# Allegro board LED_FIN.brd (continued)
## Routing (per net, layer and track width the routed paths; a pad name or vN(x,y) marks a point on that pad's centre or on a via; arc(x,y) is an arc through that point) (continued)
  BOTTOM w0.15: v1(191.25,316.8) v1(191.25,314.8) v1(191.25,312.8) v1(191.25,310.8) v1(191.25,308.8) v1(191.25,306.8) v1(191.25,304.8) v1(191.25,302.8) v1(191.25,300.8) v1(191.25,298.8) v1(191.25,296.8) v1(191.25,294.8) v1(191.25,292.8) v1(191.25,290.8) v1(191.25,288.8) v1(191.25,286.8) v1(191.25,284.8) v1(191.25,282.8) v1(191.25,280.8) v1(191.25,278.8) v1(191.25,276.8) v1(191.25,274.8) v1(191.25,272.8) v1(191.25,270.8) v1(191.25,268.8) v1(191.25,266.8) v1(191.25,264.8) v1(191.25,262.8) v1(191.25,260.8) v1(191.25,258.8) v1(191.25,256.8) v1(191.25,254.8) v1(191.25,252.8) v1(191.25,250.8) v1(191.25,248.8) v1(191.25,246.8) v1(191.25,244.8) v1(191.25,242.8) 190.55,242.1 190.55,132.8 190.17,132.42 190.17,100.18 v1(190.55,99.8)
COL_OUT_B44: length 244.9
  TOP w0.15: D7966.1 v1(189.25,242.8) ; D7726.1 v1(189.25,258.8) ; v1(188.55,132.8) 188.83,132.52 188.83,129.58 188.55,129.3 v1(188.55,128.8) ; D7456.1 v1(189.25,276.8) ; D7846.1 v1(189.25,250.8) ; D7006.1 v1(189.25,306.8) ; D6916.1 v1(189.25,312.8) ; D7246.1 v1(189.25,290.8) ; D7516.1 v1(189.25,272.8) ; D7306.1 v1(189.25,286.8) ; D7546.1 v1(189.25,270.8) ; D7906.1 v1(189.25,246.8) ; D7816.1 v1(189.25,252.8) ; D7426.1 v1(189.25,278.8) ; D7936.1 v1(189.25,244.8) ; D6976.1 v1(189.25,308.8) ; D7576.1 v1(189.25,268.8) ; D7036.1 v1(189.25,304.8) ; D7276.1 v1(189.25,288.8) ; D7186.1 v1(189.25,294.8) ; D6886.1 v1(189.25,314.8) ; D7366.1 v1(189.25,282.8) ; D7066.1 v1(189.25,302.8) ; D7156.1 v1(189.25,296.8) ; D7396.1 v1(189.25,280.8) ; D7336.1 v1(189.25,284.8) ; D7696.1 v1(189.25,260.8) ; D7216.1 v1(189.25,292.8) ; D7606.1 v1(189.25,266.8) ; D7096.1 v1(189.25,300.8) ; D7876.1 v1(189.25,248.8) ; D7636.1 v1(189.25,264.8) ; D7666.1 v1(189.25,262.8) ; D6946.1 v1(189.25,310.8) ; D7786.1 v1(189.25,254.8) ; D6856.1 v1(189.25,316.8) ; D7486.1 v1(189.25,274.8) ; v1(188.55,99.8) R196.1 ; D7756.1 v1(189.25,256.8) ; D7126.1 v1(189.25,298.8)
  BOTTOM w0.15: v1(189.25,316.8) v1(189.25,314.8) v1(189.25,312.8) v1(189.25,310.8) v1(189.25,308.8) v1(189.25,306.8) v1(189.25,304.8) v1(189.25,302.8) v1(189.25,300.8) v1(189.25,298.8) v1(189.25,296.8) v1(189.25,294.8) v1(189.25,292.8) v1(189.25,290.8) v1(189.25,288.8) v1(189.25,286.8) v1(189.25,284.8) v1(189.25,282.8) v1(189.25,280.8) v1(189.25,278.8) v1(189.25,276.8) v1(189.25,274.8) v1(189.25,272.8) v1(189.25,270.8) v1(189.25,268.8) v1(189.25,266.8) v1(189.25,264.8) v1(189.25,262.8) v1(189.25,260.8) v1(189.25,258.8) v1(189.25,256.8) v1(189.25,254.8) v1(189.25,252.8) v1(189.25,250.8) v1(189.25,248.8) v1(189.25,246.8) v1(189.25,244.8) v1(189.25,242.8) 188.55,242.1 v1(188.55,132.8) ; v1(188.55,128.8) v1(188.55,99.8)
COL_OUT_B45: length 244.8
  TOP w0.15: D7305.1 v1(187.25,286.8) ; D7575.1 v1(187.25,268.8) ; D6945.1 v1(187.25,310.8) ; D7605.1 v1(187.25,266.8) ; D7125.1 v1(187.25,298.8) ; D7275.1 v1(187.25,288.8) ; D7935.1 v1(187.25,244.8) ; v1(186.55,99.8) R195.1 ; D7725.1 v1(187.25,258.8) ; D7545.1 v1(187.25,270.8) ; D6915.1 v1(187.25,312.8) ; D7035.1 v1(187.25,304.8) ; D7185.1 v1(187.25,294.8) ; D7455.1 v1(187.25,276.8) ; D6855.1 v1(187.25,316.8) ; D7695.1 v1(187.25,260.8) ; D7875.1 v1(187.25,248.8) ; D6885.1 v1(187.25,314.8) ; D7155.1 v1(187.25,296.8) ; D7965.1 v1(187.25,242.8) ; D7095.1 v1(187.25,300.8) ; D7845.1 v1(187.25,250.8) ; D7425.1 v1(187.25,278.8) ; D7365.1 v1(187.25,282.8) ; D7815.1 v1(187.25,252.8) ; D7665.1 v1(187.25,262.8) ; D7755.1 v1(187.25,256.8) ; D7515.1 v1(187.25,272.8) ; D7905.1 v1(187.25,246.8) ; D7245.1 v1(187.25,290.8) ; D7215.1 v1(187.25,292.8) ; D6975.1 v1(187.25,308.8) ; D7785.1 v1(187.25,254.8) ; D7005.1 v1(187.25,306.8) ; D7485.1 v1(187.25,274.8) ; D7635.1 v1(187.25,264.8) ; D7395.1 v1(187.25,280.8) ; D7065.1 v1(187.25,302.8) ; D7335.1 v1(187.25,284.8)
  BOTTOM w0.15: v1(186.55,99.8) 186.36,99.99 186.36,131.75 186.55,131.94 186.55,242.1 v1(187.25,242.8) v1(187.25,244.8) v1(187.25,246.8) v1(187.25,248.8) v1(187.25,250.8) v1(187.25,252.8) v1(187.25,254.8) v1(187.25,256.8) v1(187.25,258.8) v1(187.25,260.8) v1(187.25,262.8) v1(187.25,264.8) v1(187.25,266.8) v1(187.25,268.8) v1(187.25,270.8) v1(187.25,272.8) v1(187.25,274.8) v1(187.25,276.8) v1(187.25,278.8) v1(187.25,280.8) v1(187.25,282.8) v1(187.25,284.8) v1(187.25,286.8) v1(187.25,288.8) v1(187.25,290.8) v1(187.25,292.8) v1(187.25,294.8) v1(187.25,296.8) v1(187.25,298.8) v1(187.25,300.8) v1(187.25,302.8) v1(187.25,304.8) v1(187.25,306.8) v1(187.25,308.8) v1(187.25,310.8) v1(187.25,312.8) v1(187.25,314.8) v1(187.25,316.8)
COL_OUT_B46: length 245.1
  TOP w0.15: D7964.1 v1(185.25,242.8) ; D7574.1 v1(185.25,268.8) ; D7364.1 v1(185.25,282.8) ; v1(184.55,132.8) 185.02,132.33 185.02,129.27 v1(184.55,128.8) ; D7304.1 v1(185.25,286.8) ; D7094.1 v1(185.25,300.8) ; D7514.1 v1(185.25,272.8) ; D6944.1 v1(185.25,310.8) ; D7694.1 v1(185.25,260.8) ; D7484.1 v1(185.25,274.8) ; D7334.1 v1(185.25,284.8) ; D7454.1 v1(185.25,276.8) ; D7244.1 v1(185.25,290.8) ; D7904.1 v1(185.25,246.8) ; D6854.1 v1(185.25,316.8) ; D7874.1 v1(185.25,248.8) ; D6914.1 v1(185.25,312.8) ; D7724.1 v1(185.25,258.8) ; D7934.1 v1(185.25,244.8) ; D7214.1 v1(185.25,292.8) ; D7064.1 v1(185.25,302.8) ; D7814.1 v1(185.25,252.8) ; D7184.1 v1(185.25,294.8) ; D7634.1 v1(185.25,264.8) ; D7124.1 v1(185.25,298.8) ; D7604.1 v1(185.25,266.8) ; D7544.1 v1(185.25,270.8) ; D7844.1 v1(185.25,250.8) ; D7004.1 v1(185.25,306.8) ; D7274.1 v1(185.25,288.8) ; D6974.1 v1(185.25,308.8) ; D7394.1 v1(185.25,280.8) ; D7784.1 v1(185.25,254.8) ; D6884.1 v1(185.25,314.8) ; D7664.1 v1(185.25,262.8) ; v1(184.55,99.8) R194.1 ; D7034.1 v1(185.25,304.8) ; D7424.1 v1(185.25,278.8) ; D7154.1 v1(185.25,296.8) ; D7754.1 v1(185.25,256.8)
  BOTTOM w0.15: v1(184.55,132.8) 184.55,242.1 v1(185.25,242.8) v1(185.25,244.8) v1(185.25,246.8) v1(185.25,248.8) v1(185.25,250.8) v1(185.25,252.8) v1(185.25,254.8) v1(185.25,256.8) v1(185.25,258.8) v1(185.25,260.8) v1(185.25,262.8) v1(185.25,264.8) v1(185.25,266.8) v1(185.25,268.8) v1(185.25,270.8) v1(185.25,272.8) v1(185.25,274.8) v1(185.25,276.8) v1(185.25,278.8) v1(185.25,280.8) v1(185.25,282.8) v1(185.25,284.8) v1(185.25,286.8) v1(185.25,288.8) v1(185.25,290.8) v1(185.25,292.8) v1(185.25,294.8) v1(185.25,296.8) v1(185.25,298.8) v1(185.25,300.8) v1(185.25,302.8) v1(185.25,304.8) v1(185.25,306.8) v1(185.25,308.8) v1(185.25,310.8) v1(185.25,312.8) v1(185.25,314.8) v1(185.25,316.8) ; v1(184.55,128.8) v1(184.55,99.8)
COL_OUT_B47: length 245.1
  TOP w0.15: D7303.1 v1(183.25,286.8) ; D7483.1 v1(183.25,274.8) ; D7153.1 v1(183.25,296.8) ; D7453.1 v1(183.25,276.8) ; D7783.1 v1(183.25,254.8) ; D7033.1 v1(183.25,304.8) ; D6913.1 v1(183.25,312.8) ; D7723.1 v1(183.25,258.8) ; D7423.1 v1(183.25,278.8) ; D7873.1 v1(183.25,248.8) ; D7573.1 v1(183.25,268.8) ; D7843.1 v1(183.25,250.8) ; D6973.1 v1(183.25,308.8) ; D6943.1 v1(183.25,310.8) ; v1(182.55,99.8) R193.1 ; D7003.1 v1(183.25,306.8) ; D7633.1 v1(183.25,264.8) ; D7123.1 v1(183.25,298.8) ; D7963.1 v1(183.25,242.8) ; D7513.1 v1(183.25,272.8) ; D7093.1 v1(183.25,300.8) ; D7333.1 v1(183.25,284.8) ; D7603.1 v1(183.25,266.8) ; D7903.1 v1(183.25,246.8) ; D7543.1 v1(183.25,270.8) ; D7273.1 v1(183.25,288.8) ; D7243.1 v1(183.25,290.8) ; D7393.1 v1(183.25,280.8) ; D7813.1 v1(183.25,252.8) ; D7693.1 v1(183.25,260.8) ; D6883.1 v1(183.25,314.8) ; D7753.1 v1(183.25,256.8) ; D7063.1 v1(183.25,302.8) ; D6853.1 v1(183.25,316.8) ; D7213.1 v1(183.25,292.8) ; D7363.1 v1(183.25,282.8) ; D7183.1 v1(183.25,294.8) ; D7663.1 v1(183.25,262.8) ; D7933.1 v1(183.25,244.8)
  BOTTOM w0.15: v1(182.55,99.8) 182.55,129.01 182.99,129.45 182.99,132.28 182.55,132.72 182.55,242.1 v1(183.25,242.8) v1(183.25,244.8) v1(183.25,246.8) v1(183.25,248.8) v1(183.25,250.8) v1(183.25,252.8) v1(183.25,254.8) v1(183.25,256.8) v1(183.25,258.8) v1(183.25,260.8) v1(183.25,262.8) v1(183.25,264.8) v1(183.25,266.8) v1(183.25,268.8) v1(183.25,270.8) v1(183.25,272.8) v1(183.25,274.8) v1(183.25,276.8) v1(183.25,278.8) v1(183.25,280.8) v1(183.25,282.8) v1(183.25,284.8) v1(183.25,286.8) v1(183.25,288.8) v1(183.25,290.8) v1(183.25,292.8) v1(183.25,294.8) v1(183.25,296.8) v1(183.25,298.8) v1(183.25,300.8) v1(183.25,302.8) v1(183.25,304.8) v1(183.25,306.8) v1(183.25,308.8) v1(183.25,310.8) v1(183.25,312.8) v1(183.25,314.8) v1(183.25,316.8)
COL_OUT_B48: length 245.1
  TOP w0.15: D7932.1 v1(181.25,244.8) ; D7242.1 v1(181.25,290.8) ; D7212.1 v1(181.25,292.8) ; D7902.1 v1(181.25,246.8) ; D7122.1 v1(181.25,298.8) ; D6942.1 v1(181.25,310.8) ; D7782.1 v1(181.25,254.8) ; D7692.1 v1(181.25,260.8) ; D7722.1 v1(181.25,258.8) ; D7572.1 v1(181.25,268.8) ; D6972.1 v1(181.25,308.8) ; D7182.1 v1(181.25,294.8) ; D7422.1 v1(181.25,278.8) ; D7002.1 v1(181.25,306.8) ; D7092.1 v1(181.25,300.8) ; D7452.1 v1(181.25,276.8) ; D7062.1 v1(181.25,302.8) ; D7512.1 v1(181.25,272.8) ; v1(180.55,99.8) R192.1 ; D6912.1 v1(181.25,312.8) ; D7752.1 v1(181.25,256.8) ; D7662.1 v1(181.25,262.8) ; D6882.1 v1(181.25,314.8) ; D7272.1 v1(181.25,288.8) ; D7332.1 v1(181.25,284.8) ; D7362.1 v1(181.25,282.8) ; D7632.1 v1(181.25,264.8) ; D7812.1 v1(181.25,252.8) ; D7482.1 v1(181.25,274.8) ; D7542.1 v1(181.25,270.8) ; D7872.1 v1(181.25,248.8) ; D6852.1 v1(181.25,316.8) ; D7392.1 v1(181.25,280.8) ; D7032.1 v1(181.25,304.8) ; D7302.1 v1(181.25,286.8) ; D7842.1 v1(181.25,250.8) ; D7962.1 v1(181.25,242.8) ; D7602.1 v1(181.25,266.8) ; D7152.1 v1(181.25,296.8)
  BOTTOM w0.15: v1(180.55,99.8) 180.08,100.27 180.08,131.75 180.55,132.22 180.55,242.1 v1(181.25,242.8) v1(181.25,244.8) v1(181.25,246.8) v1(181.25,248.8) v1(181.25,250.8) v1(181.25,252.8) v1(181.25,254.8) v1(181.25,256.8) v1(181.25,258.8) v1(181.25,260.8) v1(181.25,262.8) v1(181.25,264.8) v1(181.25,266.8) v1(181.25,268.8) v1(181.25,270.8) v1(181.25,272.8) v1(181.25,274.8) v1(181.25,276.8) v1(181.25,278.8) v1(181.25,280.8) v1(181.25,282.8) v1(181.25,284.8) v1(181.25,286.8) v1(181.25,288.8) v1(181.25,290.8) v1(181.25,292.8) v1(181.25,294.8) v1(181.25,296.8) v1(181.25,298.8) v1(181.25,300.8) v1(181.25,302.8) v1(181.25,304.8) v1(181.25,306.8) v1(181.25,308.8) v1(181.25,310.8) v1(181.25,312.8) v1(181.25,314.8) v1(181.25,316.8)
COL_OUT_B49: length 244.8
  TOP w0.15: D7961.1 v1(179.25,242.8) ; D7931.1 v1(179.25,244.8) ; D7061.1 v1(179.25,302.8) ; D7571.1 v1(179.25,268.8) ; v1(178.55,99.8) R191.1 ; D7031.1 v1(179.25,304.8) ; D7751.1 v1(179.25,256.8) ; D7781.1 v1(179.25,254.8) ; D7211.1 v1(179.25,292.8) ; D7901.1 v1(179.25,246.8) ; D6941.1 v1(179.25,310.8) ; D7811.1 v1(179.25,252.8) ; D7271.1 v1(179.25,288.8) ; D7511.1 v1(179.25,272.8) ; D7541.1 v1(179.25,270.8) ; D7661.1 v1(179.25,262.8) ; D7301.1 v1(179.25,286.8) ; D7241.1 v1(179.25,290.8) ; D7001.1 v1(179.25,306.8) ; D7691.1 v1(179.25,260.8) ; D7871.1 v1(179.25,248.8) ; D7151.1 v1(179.25,296.8) ; D7391.1 v1(179.25,280.8) ; D7841.1 v1(179.25,250.8) ; D7121.1 v1(179.25,298.8) ; D6851.1 v1(179.25,316.8) ; D7481.1 v1(179.25,274.8) ; D7631.1 v1(179.25,264.8) ; D7451.1 v1(179.25,276.8) ; v1(178.55,128.8) 178.74,128.99 178.74,132.61 v1(178.55,132.8) ; D7181.1 v1(179.25,294.8) ; D7331.1 v1(179.25,284.8) ; D6881.1 v1(179.25,314.8) ; D7421.1 v1(179.25,278.8) ; D7601.1 v1(179.25,266.8) ; D6911.1 v1(179.25,312.8) ; D7361.1 v1(179.25,282.8) ; D7091.1 v1(179.25,300.8) ; D7721.1 v1(179.25,258.8) ; D6971.1 v1(179.25,308.8)
  BOTTOM w0.15: v1(179.25,316.8) v1(179.25,314.8) v1(179.25,312.8) v1(179.25,310.8) v1(179.25,308.8) v1(179.25,306.8) v1(179.25,304.8) v1(179.25,302.8) v1(179.25,300.8) v1(179.25,298.8) v1(179.25,296.8) v1(179.25,294.8) v1(179.25,292.8) v1(179.25,290.8) v1(179.25,288.8) v1(179.25,286.8) v1(179.25,284.8) v1(179.25,282.8) v1(179.25,280.8) v1(179.25,278.8) v1(179.25,276.8) v1(179.25,274.8) v1(179.25,272.8) v1(179.25,270.8) v1(179.25,268.8) v1(179.25,266.8) v1(179.25,264.8) v1(179.25,262.8) v1(179.25,260.8) v1(179.25,258.8) v1(179.25,256.8) v1(179.25,254.8) v1(179.25,252.8) v1(179.25,250.8) v1(179.25,248.8) v1(179.25,246.8) v1(179.25,244.8) v1(179.25,242.8) 178.55,242.1 v1(178.55,132.8) ; v1(178.55,128.8) v1(178.55,99.8)
COL_OUT_B50: length 244.9
  TOP w0.15: D7900.1 v1(177.25,246.8) ; D7960.1 v1(177.25,242.8) ; D7840.1 v1(177.25,250.8) ; D7510.1 v1(177.25,272.8) ; D7390.1 v1(177.25,280.8) ; D7270.1 v1(177.25,288.8) ; D7450.1 v1(177.25,276.8) ; D7060.1 v1(177.25,302.8) ; D7660.1 v1(177.25,262.8) ; D7480.1 v1(177.25,274.8) ; D7330.1 v1(177.25,284.8) ; D6850.1 v1(177.25,316.8) ; D7600.1 v1(177.25,266.8) ; D7120.1 v1(177.25,298.8) ; D7870.1 v1(177.25,248.8) ; D7630.1 v1(177.25,264.8) ; D7810.1 v1(177.25,252.8) ; D7720.1 v1(177.25,258.8) ; D7570.1 v1(177.25,268.8) ; D7300.1 v1(177.25,286.8) ; D7210.1 v1(177.25,292.8) ; D7690.1 v1(177.25,260.8) ; D7750.1 v1(177.25,256.8) ; D7240.1 v1(177.25,290.8) ; D7150.1 v1(177.25,296.8) ; D6970.1 v1(177.25,308.8) ; D7420.1 v1(177.25,278.8) ; D6910.1 v1(177.25,312.8) ; D7090.1 v1(177.25,300.8) ; D6880.1 v1(177.25,314.8) ; D7000.1 v1(177.25,306.8) ; D7930.1 v1(177.25,244.8) ; v1(176.55,99.8) R190.1 ; D7780.1 v1(177.25,254.8) ; D7030.1 v1(177.25,304.8) ; D7180.1 v1(177.25,294.8) ; D7540.1 v1(177.25,270.8) ; D7360.1 v1(177.25,282.8) ; D6940.1 v1(177.25,310.8)
  BOTTOM w0.15: v1(176.55,99.8) 176.55,100.3 176.27,100.58 176.27,131.75 176.55,132.03 176.55,242.1 v1(177.25,242.8) v1(177.25,244.8) v1(177.25,246.8) v1(177.25,248.8) v1(177.25,250.8) v1(177.25,252.8) v1(177.25,254.8) v1(177.25,256.8) v1(177.25,258.8) v1(177.25,260.8) v1(177.25,262.8) v1(177.25,264.8) v1(177.25,266.8) v1(177.25,268.8) v1(177.25,270.8) v1(177.25,272.8) v1(177.25,274.8) v1(177.25,276.8) v1(177.25,278.8) v1(177.25,280.8) v1(177.25,282.8) v1(177.25,284.8) v1(177.25,286.8) v1(177.25,288.8) v1(177.25,290.8) v1(177.25,292.8) v1(177.25,294.8) v1(177.25,296.8) v1(177.25,298.8) v1(177.25,300.8) v1(177.25,302.8) v1(177.25,304.8) v1(177.25,306.8) v1(177.25,308.8) v1(177.25,310.8) v1(177.25,312.8) v1(177.25,314.8) v1(177.25,316.8)
COL_OUT_B51: length 245
  TOP w0.15: D6939.1 v1(175.25,310.8) ; D7749.1 v1(175.25,256.8) ; D7059.1 v1(175.25,302.8) ; D7809.1 v1(175.25,252.8) ; D7149.1 v1(175.25,296.8) ; D7449.1 v1(175.25,276.8) ; D7629.1 v1(175.25,264.8) ; v1(174.55,132.8) 174.93,132.42 174.93,129.18 v1(174.55,128.8) ; D6849.1 v1(175.25,316.8) ; D7599.1 v1(175.25,266.8) ; D6879.1 v1(175.25,314.8) ; D7689.1 v1(175.25,260.8) ; D7119.1 v1(175.25,298.8) ; D6969.1 v1(175.25,308.8) ; D7179.1 v1(175.25,294.8) ; D7719.1 v1(175.25,258.8) ; D7299.1 v1(175.25,286.8) ; v1(174.55,99.8) R189.1 ; D7899.1 v1(175.25,246.8) ; D7839.1 v1(175.25,250.8) ; D7329.1 v1(175.25,284.8) ; D7869.1 v1(175.25,248.8) ; D7089.1 v1(175.25,300.8) ; D7419.1 v1(175.25,278.8) ; D7239.1 v1(175.25,290.8) ; D7779.1 v1(175.25,254.8) ; D7569.1 v1(175.25,268.8) ; D7389.1 v1(175.25,280.8) ; D7959.1 v1(175.25,242.8) ; D6999.1 v1(175.25,306.8) ; D7359.1 v1(175.25,282.8) ; D7509.1 v1(175.25,272.8) ; D7209.1 v1(175.25,292.8) ; D7029.1 v1(175.25,304.8) ; D7539.1 v1(175.25,270.8) ; D7479.1 v1(175.25,274.8) ; D7929.1 v1(175.25,244.8) ; D7659.1 v1(175.25,262.8) ; D7269.1 v1(175.25,288.8) ; D6909.1 v1(175.25,312.8)
  BOTTOM w0.15: v1(175.25,316.8) v1(175.25,314.8) v1(175.25,312.8) v1(175.25,310.8) v1(175.25,308.8) v1(175.25,306.8) v1(175.25,304.8) v1(175.25,302.8) v1(175.25,300.8) v1(175.25,298.8) v1(175.25,296.8) v1(175.25,294.8) v1(175.25,292.8) v1(175.25,290.8) v1(175.25,288.8) v1(175.25,286.8) v1(175.25,284.8) v1(175.25,282.8) v1(175.25,280.8) v1(175.25,278.8) v1(175.25,276.8) v1(175.25,274.8) v1(175.25,272.8) v1(175.25,270.8) v1(175.25,268.8) v1(175.25,266.8) v1(175.25,264.8) v1(175.25,262.8) v1(175.25,260.8) v1(175.25,258.8) v1(175.25,256.8) v1(175.25,254.8) v1(175.25,252.8) v1(175.25,250.8) v1(175.25,248.8) v1(175.25,246.8) v1(175.25,244.8) v1(175.25,242.8) 174.55,242.1 v1(174.55,132.8) ; v1(174.55,128.8) v1(174.55,99.8)
COL_OUT_B52: length 244.8
  TOP w0.15: D7628.1 v1(173.25,264.8) ; D7118.1 v1(173.25,298.8) ; D7238.1 v1(173.25,290.8) ; D7448.1 v1(173.25,276.8) ; D7598.1 v1(173.25,266.8) ; D7208.1 v1(173.25,292.8) ; D6938.1 v1(173.25,310.8) ; v1(172.55,99.8) R188.1 ; D7178.1 v1(173.25,294.8) ; D7538.1 v1(173.25,270.8) ; D7928.1 v1(173.25,244.8) ; D7898.1 v1(173.25,246.8) ; D7328.1 v1(173.25,284.8) ; D7508.1 v1(173.25,272.8) ; D7388.1 v1(173.25,280.8) ; D7298.1 v1(173.25,286.8) ; D6998.1 v1(173.25,306.8) ; D7058.1 v1(173.25,302.8) ; D7568.1 v1(173.25,268.8) ; D7838.1 v1(173.25,250.8) ; D7658.1 v1(173.25,262.8) ; D7478.1 v1(173.25,274.8) ; D7688.1 v1(173.25,260.8) ; D7718.1 v1(173.25,258.8) ; D7748.1 v1(173.25,256.8) ; D7028.1 v1(173.25,304.8) ; D6848.1 v1(173.25,316.8) ; D6908.1 v1(173.25,312.8) ; D6878.1 v1(173.25,314.8) ; D7808.1 v1(173.25,252.8) ; D7148.1 v1(173.25,296.8) ; D6968.1 v1(173.25,308.8) ; D7358.1 v1(173.25,282.8) ; D7778.1 v1(173.25,254.8) ; D7418.1 v1(173.25,278.8) ; D7268.1 v1(173.25,288.8) ; D7088.1 v1(173.25,300.8) ; D7868.1 v1(173.25,248.8) ; D7958.1 v1(173.25,242.8)
  BOTTOM w0.15: v1(172.55,99.8) 172.46,99.89 172.46,242.01 v1(173.25,242.8) v1(173.25,244.8) v1(173.25,246.8) v1(173.25,248.8) v1(173.25,250.8) v1(173.25,252.8) v1(173.25,254.8) v1(173.25,256.8) v1(173.25,258.8) v1(173.25,260.8) v1(173.25,262.8) v1(173.25,264.8) v1(173.25,266.8) v1(173.25,268.8) v1(173.25,270.8) v1(173.25,272.8) v1(173.25,274.8) v1(173.25,276.8) v1(173.25,278.8) v1(173.25,280.8) v1(173.25,282.8) v1(173.25,284.8) v1(173.25,286.8) v1(173.25,288.8) v1(173.25,290.8) v1(173.25,292.8) v1(173.25,294.8) v1(173.25,296.8) v1(173.25,298.8) v1(173.25,300.8) v1(173.25,302.8) v1(173.25,304.8) v1(173.25,306.8) v1(173.25,308.8) v1(173.25,310.8) v1(173.25,312.8) v1(173.25,314.8) v1(173.25,316.8)
COL_OUT_B53: length 245.2
  TOP w0.15: D7087.1 v1(171.25,300.8) ; D7627.1 v1(171.25,264.8) ; D7897.1 v1(171.25,246.8) ; D7597.1 v1(171.25,266.8) ; D7747.1 v1(171.25,256.8) ; D7837.1 v1(171.25,250.8) ; D7177.1 v1(171.25,294.8) ; D7657.1 v1(171.25,262.8) ; D7537.1 v1(171.25,270.8) ; D7957.1 v1(171.25,242.8) ; v1(170.55,128.8) 171.12,129.37 171.12,132.23 v1(170.55,132.8) ; D7027.1 v1(171.25,304.8) ; D7567.1 v1(171.25,268.8) ; D7267.1 v1(171.25,288.8) ; D6997.1 v1(171.25,306.8) ; D7297.1 v1(171.25,286.8) ; D7717.1 v1(171.25,258.8) ; D7327.1 v1(171.25,284.8) ; D7447.1 v1(171.25,276.8) ; D6847.1 v1(171.25,316.8) ; D7507.1 v1(171.25,272.8) ; D7117.1 v1(171.25,298.8) ; D7387.1 v1(171.25,280.8) ; D7147.1 v1(171.25,296.8) ; D7417.1 v1(171.25,278.8) ; v1(170.55,99.8) R187.1 ; D7357.1 v1(171.25,282.8) ; D6967.1 v1(171.25,308.8) ; D6907.1 v1(171.25,312.8) ; D7807.1 v1(171.25,252.8) ; D7477.1 v1(171.25,274.8) ; D7777.1 v1(171.25,254.8) ; D6877.1 v1(171.25,314.8) ; D7687.1 v1(171.25,260.8) ; D7867.1 v1(171.25,248.8) ; D7237.1 v1(171.25,290.8) ; D7207.1 v1(171.25,292.8) ; D7927.1 v1(171.25,244.8) ; D6937.1 v1(171.25,310.8) ; D7057.1 v1(171.25,302.8)
  BOTTOM w0.15: v1(170.55,128.8) v1(170.55,99.8) ; v1(170.55,132.8) 170.55,242.1 v1(171.25,242.8) v1(171.25,244.8) v1(171.25,246.8) v1(171.25,248.8) v1(171.25,250.8) v1(171.25,252.8) v1(171.25,254.8) v1(171.25,256.8) v1(171.25,258.8) v1(171.25,260.8) v1(171.25,262.8) v1(171.25,264.8) v1(171.25,266.8) v1(171.25,268.8) v1(171.25,270.8) v1(171.25,272.8) v1(171.25,274.8) v1(171.25,276.8) v1(171.25,278.8) v1(171.25,280.8) v1(171.25,282.8) v1(171.25,284.8) v1(171.25,286.8) v1(171.25,288.8) v1(171.25,290.8) v1(171.25,292.8) v1(171.25,294.8) v1(171.25,296.8) v1(171.25,298.8) v1(171.25,300.8) v1(171.25,302.8) v1(171.25,304.8) v1(171.25,306.8) v1(171.25,308.8) v1(171.25,310.8) v1(171.25,312.8) v1(171.25,314.8) v1(171.25,316.8)
COL_OUT_B54: length 244.7
  TOP w0.15: D7686.1 v1(169.25,260.8) ; D7566.1 v1(169.25,268.8) ; D7866.1 v1(169.25,248.8) ; D7116.1 v1(169.25,298.8) ; D7896.1 v1(169.25,246.8) ; D7776.1 v1(169.25,254.8) ; D7416.1 v1(169.25,278.8) ; D7746.1 v1(169.25,256.8) ; D7356.1 v1(169.25,282.8) ; D7806.1 v1(169.25,252.8) ; D7446.1 v1(169.25,276.8) ; D7086.1 v1(169.25,300.8) ; D7656.1 v1(169.25,262.8) ; D7836.1 v1(169.25,250.8) ; D7626.1 v1(169.25,264.8) ; v1(168.55,132.8) 168.58,132.77 168.58,128.83 v1(168.55,128.8) ; D7326.1 v1(169.25,284.8) ; D7386.1 v1(169.25,280.8) ; D7926.1 v1(169.25,244.8) ; D7596.1 v1(169.25,266.8) ; D7236.1 v1(169.25,290.8) ; D6876.1 v1(169.25,314.8) ; D7296.1 v1(169.25,286.8) ; v1(168.55,99.8) R186.1 ; D7176.1 v1(169.25,294.8) ; D7266.1 v1(169.25,288.8) ; D7716.1 v1(169.25,258.8) ; D7506.1 v1(169.25,272.8) ; D6846.1 v1(169.25,316.8) ; D7026.1 v1(169.25,304.8) ; D6936.1 v1(169.25,310.8) ; D6996.1 v1(169.25,306.8) ; D7056.1 v1(169.25,302.8) ; D7476.1 v1(169.25,274.8) ; D6966.1 v1(169.25,308.8) ; D7146.1 v1(169.25,296.8) ; D7206.1 v1(169.25,292.8) ; D7956.1 v1(169.25,242.8) ; D6906.1 v1(169.25,312.8) ; D7536.1 v1(169.25,270.8)
  BOTTOM w0.15: v1(169.25,316.8) v1(169.25,314.8) v1(169.25,312.8) v1(169.25,310.8) v1(169.25,308.8) v1(169.25,306.8) v1(169.25,304.8) v1(169.25,302.8) v1(169.25,300.8) v1(169.25,298.8) v1(169.25,296.8) v1(169.25,294.8) v1(169.25,292.8) v1(169.25,290.8) v1(169.25,288.8) v1(169.25,286.8) v1(169.25,284.8) v1(169.25,282.8) v1(169.25,280.8) v1(169.25,278.8) v1(169.25,276.8) v1(169.25,274.8) v1(169.25,272.8) v1(169.25,270.8) v1(169.25,268.8) v1(169.25,266.8) v1(169.25,264.8) v1(169.25,262.8) v1(169.25,260.8) v1(169.25,258.8) v1(169.25,256.8) v1(169.25,254.8) v1(169.25,252.8) v1(169.25,250.8) v1(169.25,248.8) v1(169.25,246.8) v1(169.25,244.8) v1(169.25,242.8) 168.55,242.1 v1(168.55,132.8) ; v1(168.55,128.8) v1(168.55,99.8)
COL_OUT_B55: length 245.1
  TOP w0.15: D7415.1 v1(167.25,278.8) ; D7895.1 v1(167.25,246.8) ; D7745.1 v1(167.25,256.8) ; D7175.1 v1(167.25,294.8) ; D7715.1 v1(167.25,258.8) ; D7265.1 v1(167.25,288.8) ; D7535.1 v1(167.25,270.8) ; D7865.1 v1(167.25,248.8) ; D6995.1 v1(167.25,306.8) ; D7805.1 v1(167.25,252.8) ; D7025.1 v1(167.25,304.8) ; D7115.1 v1(167.25,298.8) ; D7475.1 v1(167.25,274.8) ; D7625.1 v1(167.25,264.8) ; D7685.1 v1(167.25,260.8) ; D7205.1 v1(167.25,292.8) ; D6965.1 v1(167.25,308.8) ; D7085.1 v1(167.25,300.8) ; D7385.1 v1(167.25,280.8) ; D7325.1 v1(167.25,284.8) ; D7595.1 v1(167.25,266.8) ; D7565.1 v1(167.25,268.8) ; D7505.1 v1(167.25,272.8) ; D7355.1 v1(167.25,282.8) ; v1(166.55,99.8) R185.1 ; D7445.1 v1(167.25,276.8) ; D7655.1 v1(167.25,262.8) ; D6845.1 v1(167.25,316.8) ; D7775.1 v1(167.25,254.8) ; D7925.1 v1(167.25,244.8) ; D7835.1 v1(167.25,250.8) ; D7295.1 v1(167.25,286.8) ; D7955.1 v1(167.25,242.8) ; D7235.1 v1(167.25,290.8) ; D6905.1 v1(167.25,312.8) ; D7055.1 v1(167.25,302.8) ; D6875.1 v1(167.25,314.8) ; D7145.1 v1(167.25,296.8) ; D6935.1 v1(167.25,310.8)
  BOTTOM w0.15: v1(167.25,316.8) v1(167.25,314.8) v1(167.25,312.8) v1(167.25,310.8) v1(167.25,308.8) v1(167.25,306.8) v1(167.25,304.8) v1(167.25,302.8) v1(167.25,300.8) v1(167.25,298.8) v1(167.25,296.8) v1(167.25,294.8) v1(167.25,292.8) v1(167.25,290.8) v1(167.25,288.8) v1(167.25,286.8) v1(167.25,284.8) v1(167.25,282.8) v1(167.25,280.8) v1(167.25,278.8) v1(167.25,276.8) v1(167.25,274.8) v1(167.25,272.8) v1(167.25,270.8) v1(167.25,268.8) v1(167.25,266.8) v1(167.25,264.8) v1(167.25,262.8) v1(167.25,260.8) v1(167.25,258.8) v1(167.25,256.8) v1(167.25,254.8) v1(167.25,252.8) v1(167.25,250.8) v1(167.25,248.8) v1(167.25,246.8) v1(167.25,244.8) v1(167.25,242.8) 166.55,242.1 166.55,132.8 166.11,132.36 166.11,100.24 v1(166.55,99.8)
COL_OUT_B56: length 244.9
  TOP w0.15: v1(164.55,128.8) 164.55,129.3 164.77,129.52 164.77,132.08 164.55,132.3 v1(164.55,132.8) ; D7384.1 v1(165.25,280.8) ; D7324.1 v1(165.25,284.8) ; D7234.1 v1(165.25,290.8) ; D7534.1 v1(165.25,270.8) ; D7294.1 v1(165.25,286.8) ; D6934.1 v1(165.25,310.8) ; D7834.1 v1(165.25,250.8) ; D7774.1 v1(165.25,254.8) ; D7594.1 v1(165.25,266.8) ; D7114.1 v1(165.25,298.8) ; D6874.1 v1(165.25,314.8) ; D7054.1 v1(165.25,302.8) ; D7414.1 v1(165.25,278.8) ; D7894.1 v1(165.25,246.8) ; D7204.1 v1(165.25,292.8) ; D6964.1 v1(165.25,308.8) ; D7354.1 v1(165.25,282.8) ; D7174.1 v1(165.25,294.8) ; D7144.1 v1(165.25,296.8) ; D7024.1 v1(165.25,304.8) ; D7564.1 v1(165.25,268.8) ; D7744.1 v1(165.25,256.8) ; D6994.1 v1(165.25,306.8) ; D7804.1 v1(165.25,252.8) ; D7924.1 v1(165.25,244.8) ; D7714.1 v1(165.25,258.8) ; v1(164.55,99.8) R184.1 ; D7444.1 v1(165.25,276.8) ; D7654.1 v1(165.25,262.8) ; D7264.1 v1(165.25,288.8) ; D7624.1 v1(165.25,264.8) ; D7474.1 v1(165.25,274.8) ; D6844.1 v1(165.25,316.8) ; D7504.1 v1(165.25,272.8) ; D7954.1 v1(165.25,242.8) ; D6904.1 v1(165.25,312.8) ; D7684.1 v1(165.25,260.8) ; D7864.1 v1(165.25,248.8) ; D7084.1 v1(165.25,300.8)
  BOTTOM w0.15: v1(165.25,316.8) v1(165.25,314.8) v1(165.25,312.8) v1(165.25,310.8) v1(165.25,308.8) v1(165.25,306.8) v1(165.25,304.8) v1(165.25,302.8) v1(165.25,300.8) v1(165.25,298.8) v1(165.25,296.8) v1(165.25,294.8) v1(165.25,292.8) v1(165.25,290.8) v1(165.25,288.8) v1(165.25,286.8) v1(165.25,284.8) v1(165.25,282.8) v1(165.25,280.8) v1(165.25,278.8) v1(165.25,276.8) v1(165.25,274.8) v1(165.25,272.8) v1(165.25,270.8) v1(165.25,268.8) v1(165.25,266.8) v1(165.25,264.8) v1(165.25,262.8) v1(165.25,260.8) v1(165.25,258.8) v1(165.25,256.8) v1(165.25,254.8) v1(165.25,252.8) v1(165.25,250.8) v1(165.25,248.8) v1(165.25,246.8) v1(165.25,244.8) v1(165.25,242.8) 164.55,242.1 v1(164.55,132.8) ; v1(164.55,128.8) v1(164.55,99.8)
